# Allegro board RUBUS_20173009.brd (continued)
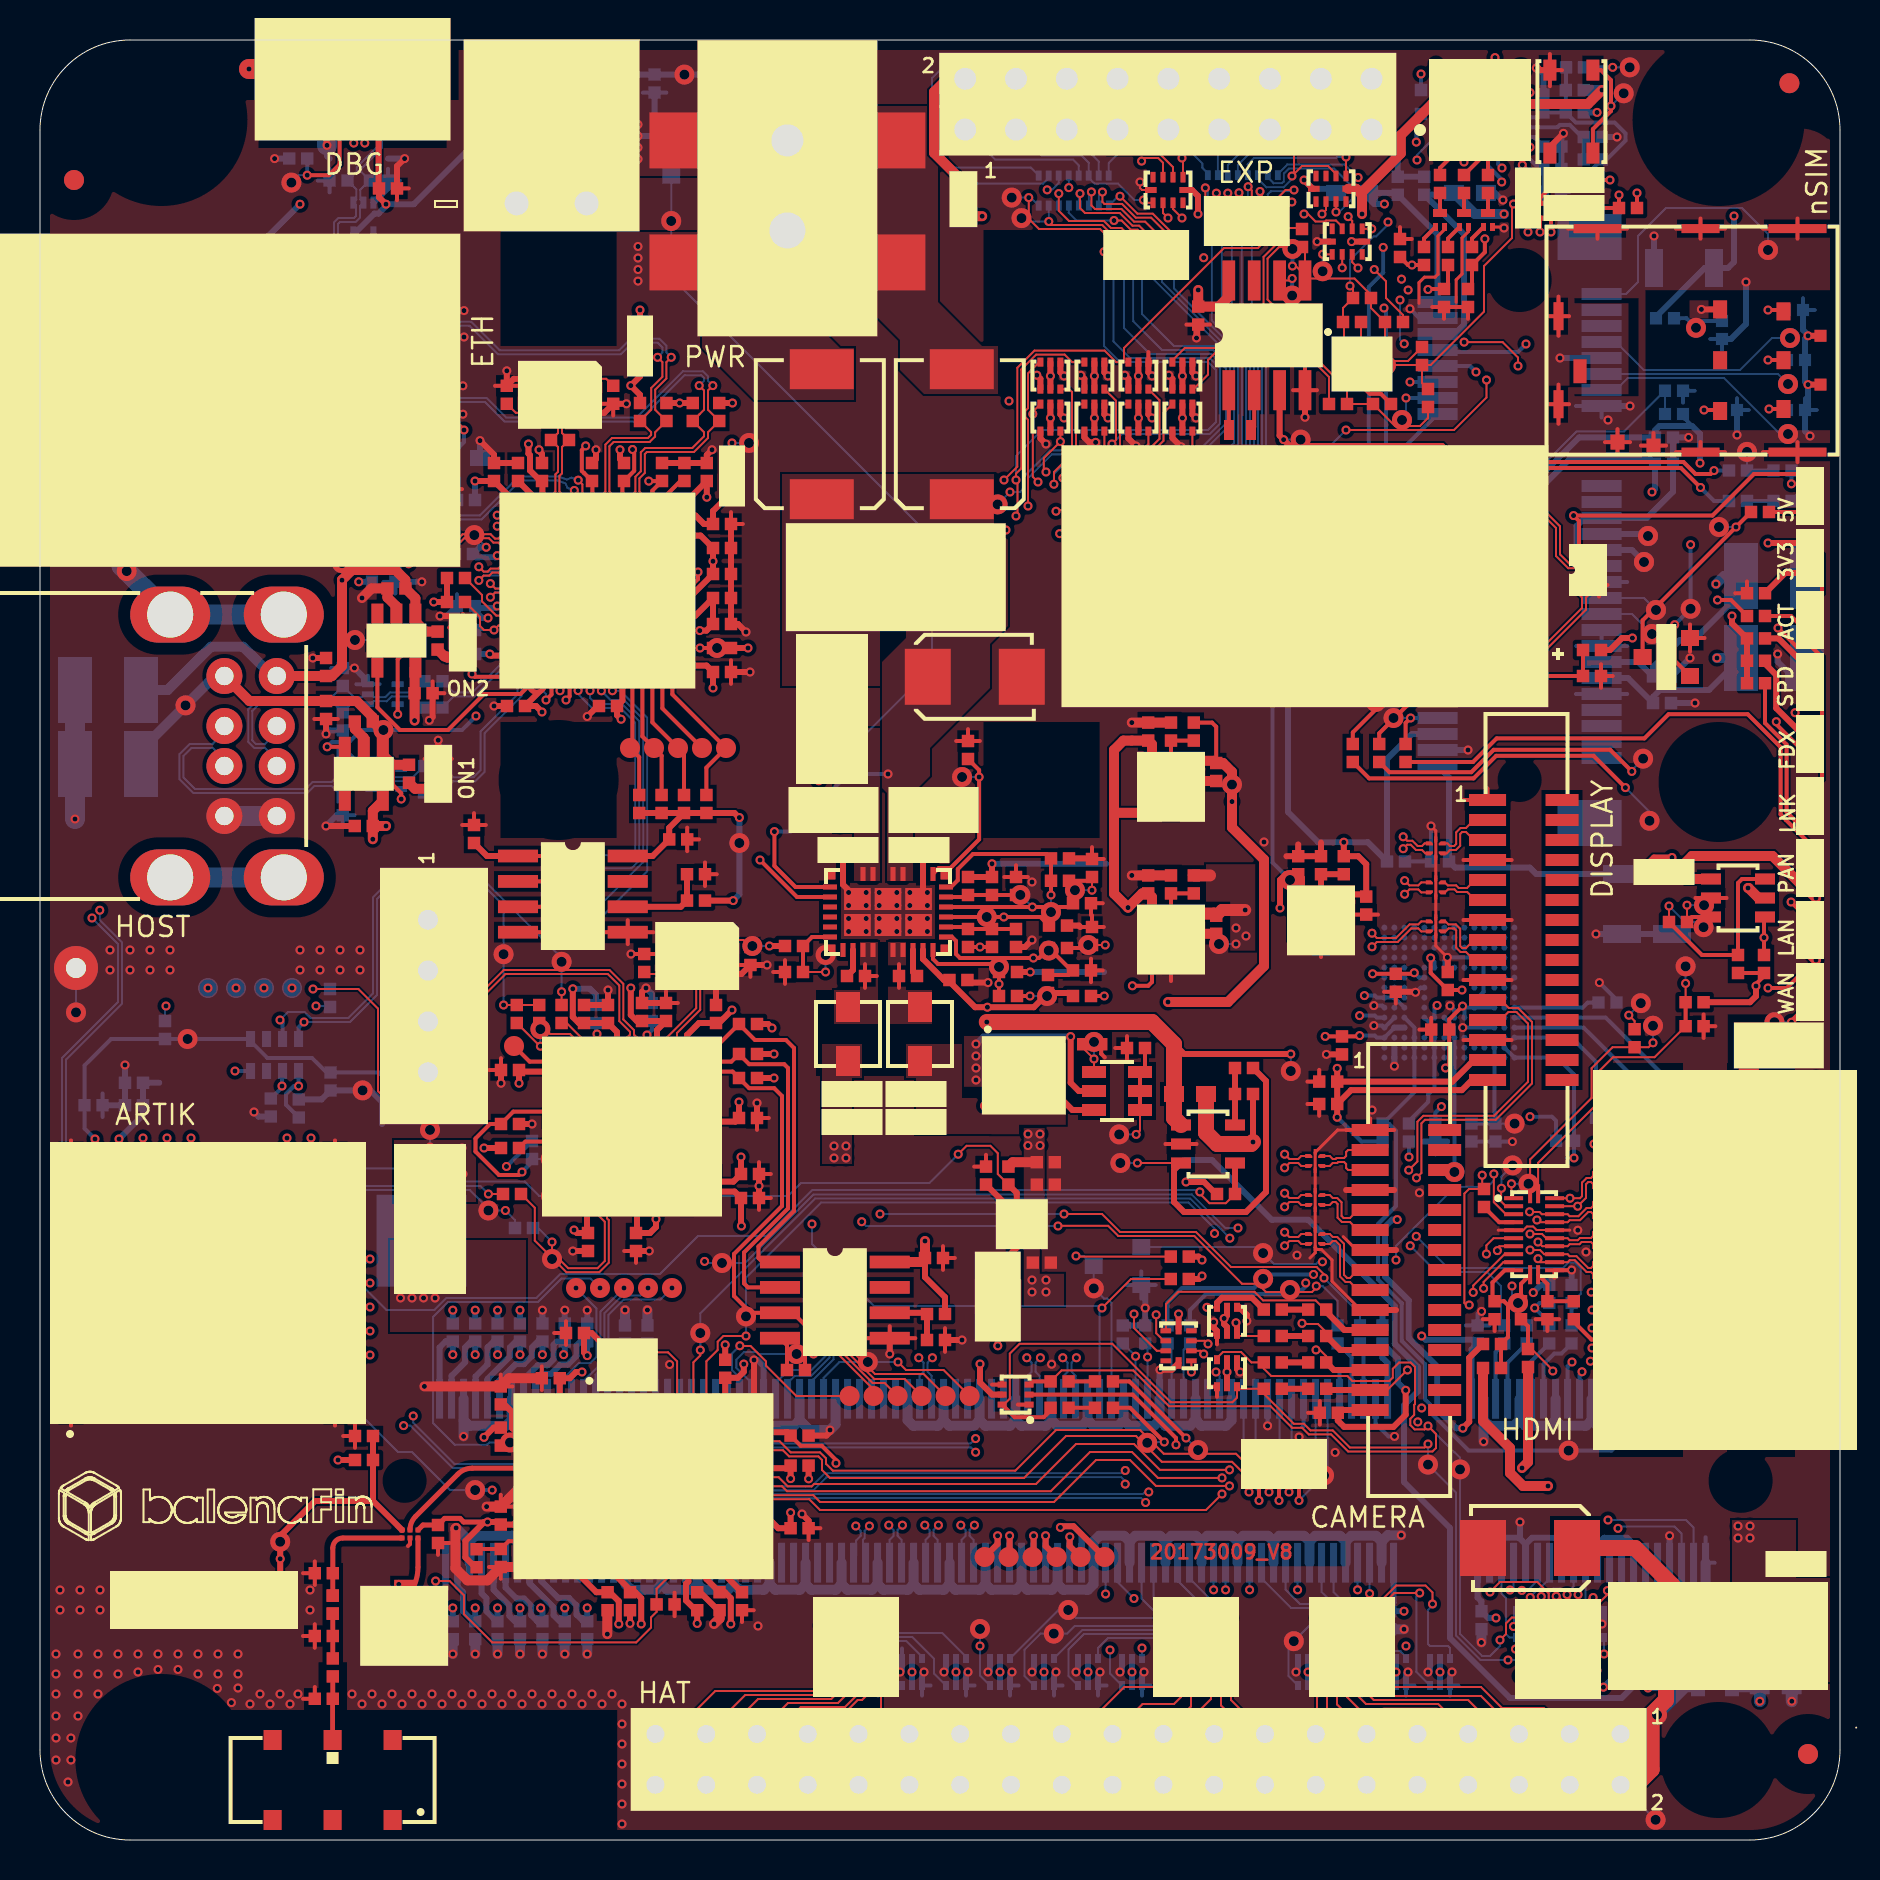
[diagram p0: board, top side]
## Footprints (pads in the part's own frame, mm; a bottom-side part is the same pattern mirrored in y, then rotated) (continued)
unnamed#2
  round 0 hole 3.3 unplated: (0,0)
unnamed#3
  round 0 hole 2.7 unplated: (0,0)
VFBGA153
  round 0.3 smd: A1(-3.25,3.25) A2(-2.75,3.25) A3(-2.25,3.25) A4(-1.75,3.25) A5(-1.25,3.25) A6(-0.75,3.25) A7(-0.25,3.25) A8(0.25,3.25) A9(0.75,3.25) A10(1.25,3.25) A11(1.75,3.25) A12(2.25,3.25) A13(2.75,3.25) A14(3.25,3.25) B1(-3.25,2.75) B2(-2.75,2.75) B3(-2.25,2.75) B4(-1.75,2.75) B5(-1.25,2.75) B6(-0.75,2.75) B7(-0.25,2.75) B8(0.25,2.75) B9(0.75,2.75) B10(1.25,2.75) B11(1.75,2.75) B12(2.25,2.75) B13(2.75,2.75) B14(3.25,2.75) C1(-3.25,2.25) C2(-2.75,2.25) C3(-2.25,2.25) C4(-1.75,2.25) C5(-1.25,2.25) C6(-0.75,2.25) C7(-0.25,2.25) C8(0.25,2.25) C9(0.75,2.25) C10(1.25,2.25) C11(1.75,2.25) C12(2.25,2.25) C13(2.75,2.25) C14(3.25,2.25) D1(-3.25,1.75) D2(-2.75,1.75) D3(-2.25,1.75) D4(-1.75,1.75) D12(2.25,1.75) D13(2.75,1.75) D14(3.25,1.75) E1(-3.25,1.25) E2(-2.75,1.25) E3(-2.25,1.25) E5(-1.25,1.25) E6(-0.75,1.25) E7(-0.25,1.25) E8(0.25,1.25) E9(0.75,1.25) E10(1.25,1.25) E12(2.25,1.25) E13(2.75,1.25) E14(3.25,1.25) F1(-3.25,0.75) F2(-2.75,0.75) F3(-2.25,0.75) F5(-1.25,0.75) F10(1.25,0.75) F12(2.25,0.75) F13(2.75,0.75) F14(3.25,0.75) G1(-3.25,0.25) G2(-2.75,0.25) G3(-2.25,0.25) G5(-1.25,0.25) G10(1.25,0.25) G12(2.25,0.25) G13(2.75,0.25) G14(3.25,0.25) H1(-3.25,-0.25) H2(-2.75,-0.25) H3(-2.25,-0.25) H5(-1.25,-0.25) H10(1.25,-0.25) H12(2.25,-0.25) H13(2.75,-0.25) H14(3.25,-0.25) J1(-3.25,-0.75) J2(-2.75,-0.75) J3(-2.25,-0.75) J5(-1.25,-0.75) J10(1.25,-0.75) J12(2.25,-0.75) J13(2.75,-0.75) J14(3.25,-0.75) K1(-3.25,-1.25) K2(-2.75,-1.25) K3(-2.25,-1.25) K5(-1.25,-1.25) K6(-0.75,-1.25) K7(-0.25,-1.25) K8(0.25,-1.25) K9(0.75,-1.25) K10(1.25,-1.25) K12(2.25,-1.25) K13(2.75,-1.25) K14(3.25,-1.25) L1(-3.25,-1.75) L2(-2.75,-1.75) L3(-2.25,-1.75) L12(2.25,-1.75) L13(2.75,-1.75) L14(3.25,-1.75) M1(-3.25,-2.25) M2(-2.75,-2.25) M3(-2.25,-2.25) M4(-1.75,-2.25) M5(-1.25,-2.25) M6(-0.75,-2.25) M7(-0.25,-2.25) M8(0.25,-2.25) M9(0.75,-2.25) M10(1.25,-2.25) M11(1.75,-2.25) M12(2.25,-2.25) M13(2.75,-2.25) M14(3.25,-2.25) N1(-3.25,-2.75) N2(-2.75,-2.75) N3(-2.25,-2.75) N4(-1.75,-2.75) N5(-1.25,-2.75) N6(-0.75,-2.75) N7(-0.25,-2.75) N8(0.25,-2.75) N9(0.75,-2.75) N10(1.25,-2.75) N11(1.75,-2.75) N12(2.25,-2.75) N13(2.75,-2.75) N14(3.25,-2.75) P1(-3.25,-3.25) P2(-2.75,-3.25) P3(-2.25,-3.25) P4(-1.75,-3.25) P5(-1.25,-3.25) P6(-0.75,-3.25) P7(-0.25,-3.25) P8(0.25,-3.25) P9(0.75,-3.25) P10(1.25,-3.25) P11(1.75,-3.25) P12(2.25,-3.25) P13(2.75,-3.25) P14(3.25,-3.25)
XFDFN6
  rect 0.25x0.25 smd: 1(0.4,0.2) 2(0,0.2) 3(-0.4,0.2) 4(-0.4,-0.2) 5(0,-0.2) 6(0.4,-0.2)
Y-ABM8G
  rect 1.4x1.15 smd: 1(-1.1,-0.8) 2(1.1,-0.8) 3(1.1,0.9) 4(-1.1,0.9)
Y-ABS05
  rect 0.5x1 smd: 1(-0.55,0) 2(0.55,0)
Y-NZ2520S
  rect 1x1 smd: 1(-0.825,-0.625) 2(0.825,-0.625) 3(0.825,0.625) 4(-0.825,0.625)

## Nets
3V3_HAT: F3.2 J18.1 J18.17 TVS15.1(C)
5V_HAT: F4.1 J18.2 J18.4 TVS16.1(C)
5V_HOST1: C64.1 C70.1 C234.1 J11.1 R210.2 TVS3.5(VCC) U10.1(OUT)
5V_HOST2: C76.1 C79.1 C232.1 J11.5(VCCB) R211.2 TVS4.5(VCC) U12.1(OUT)
+1V5: C42.1 C115.2 C117.1 C120.1 C123.1 J19.6 J19.28 J19.48 R49.2 U6.4(VOUT)
+1V8: C13.2 C14.1 C15.2 C16.1 C39.1 C231.1 J2.183 J2.184 J2.185 J2.186 R21.2 R22.2 R42.2 U5.4(VOUT) Y5.4(VCC)
+1V8_CORE: C182.1 C183.2 C184.1 U22.15 U22.38
+1V8_ETHPLL: C186.1 L21.2 U22.48
+1V8_USBPLL: C185.2 L21.1 U22.62
+1V8_VCORE: C157.2 C163.1 C167.1 U8.2 U8.31 U8.43(VREGOUT)
+1V8_WIFI: C194.2 C195.2 C196.2 C197.2 C198.2 MOD1.B2 MOD1.C9 MOD1.J9 MOD1.L1 MOD1.L9
+2V8: C17.2 C18.1 C27.1 J2.189 J2.190 R35.2 U2.4(VOUT)
+3V3: C1.1 C2.1 C4.2 C5.1 C6.2 C7.1 C11.1 C12.1 C19.2 C20.1 C21.2 C22.1 C23.2 C24.1 C25.2 C26.1 C28.1 C40.1 C43.1 C61.1 C85.1 C109.2 C110.2 C111.2 C112.2 C113.1 C116.2 C118.1 C119.1 C121.2 C122.2 C124.1 C140.1 C149.1 C177.1 C178.1 C179.1 C180.1 C181.1 C189.2 C190.2 C191.2 C192.2 C193.2 C205.2 C206.2 C207.1 C208.1 C209.1 C210.2 DS1.2 DS1.5(C2) DS4.2 DS4.5(C2) DS5.2 DS5.5(C2) DS11.2 DS11.5(C2) DS12.2 DS12.5(C2) DS13.2 DS13.5(C2) DS14.2 DS14.5(C2) DS15.2 DS15.5(C2) DS16.2 DS16.5(C2) DS17.2 DS17.5(C2) DS18.2 DS18.5(C2) DS19.2 DS19.5(C2) DS20.2 DS20.5(C2) DS21.2 DS21.5(C2) DS22.2 DS22.5(C2) DS23.2 DS23.5(C2) DS24.2 DS24.5(C2) DS31.2 F3.1 J2.4 J2.6 J2.39 J2.40 J2.41 J2.42 J2.191 J2.192 J2.193 J2.194 J2.197 J2.198 J2.199 J2.200 J3.14 J3.15 J10.15 J19.2 J19.24 J19.39 J19.41 J19.52 L20.1 MOD1.A4(VIO_SD) MOD1.A7 MOD1.B1 MOD1.D9 MOD1.M6 Q16.2 Q18.2 Q18.5 R2.2 R4.2 R5.2 R113.1 R133.2 R134.2 R135.2 R136.2 R137.2 R138.2 R149.2 R169.2 R182.2 R184.1 R203.2 R205.2 R206.2 R207.2 R208.2 R209.2 R212.2 R219.1 R220.1 R235.2 R240.2 R245.1 R246.2 R248.2 R267.1 R271.2 R273.2 R274.2 R282.1 R283.2 RR15.12 RR15.13 RR15.14 RR15.15 RR15.16 TVS2.10(VCC) U2.1 U2.6 U5.1 U5.6 U6.1 U6.6 U13.9 U17.C6 U17.E6 U17.F5 U17.J10 U17.K9 U17.M4 U17.N4 U17.P3 U17.P5 U19.8 U20.7 U20.8(VOUT#8) U22.19 U22.27 U22.33 U22.39 U22.40 U22.46 U26.4(VDD)
+3V3_A: C170.2 C171.2 C172.2 C173.2 C174.2 C175.2 C176.2 L20.2 R162.2 R163.2 R164.2 R165.2 R200.2 U22.5 U22.10 U22.49 U22.51 U22.54 U22.57 U22.64
+3V3_JTAG: C158.2 C159.2 C160.2 C161.2 C162.1 C164.1 C165.2 C166.2 C168.1 DS31.1(C) J23.1 R191.2 R192.2 R196.1 R197.1 R198.2 R217.2 U8.5 U8.9 U8.16 U8.36 U8.44 U8.50 U21.8
+3V3_LED: LD5.2 LD9.2 LD10.2 LD11.2 LD17.2 Q16.4 R174.2 R175.2 R177.2 R267.2
+3V3_ON: C92.1 C93.1 C150.1 C151.1 C221.1 C229.1 C230.1 DS7.2 DS7.5(C2) DS8.2 DS8.5(C2) DS9.2 DS9.5(C2) DS10.2 DS10.5(C2) DS25.2 DS25.5(C2) DS26.2 DS26.5(C2) DS27.2 DS27.5(C2) DS28.2 DS28.5(C2) F2.2 L24.2 MOD2.29(VDD) R118.2 R128.2 R180.2 R183.1 R236.2 R254.2 R258.2 R288.2 R289.1 TP84.1(TP) TVS6.10(VCC) TVS7.10(VCC) TVS18.10(VCC) U20.1 U20.2
+5V: C114.1 C188.1 C222.1 C223.1 DS32.2 F4.2 LD4.2 LD8.4 LD8.5 LD8.6 Q14.1 Q14.2 Q14.3(S_3) Q15.5(E2) Q17.2 R244.1 R268.1 R272.2 TVS17.5(VCC) U23.8 U27.7 U27.8(VIN2#8) U27.12
+5V_DEV: C63.1 C75.1 Q17.4 R243.1 R268.2 U10.5 U12.5
+5V_INT: C220.1 C227.1 C228.1 L23.2 Q14.5 Q15.6 R255.2 R257.2
+5V_USB_DBG: C88.1 J13.1(VCC) Q6.1 R116.2 R237.2 TVS5.5(VCC)
GND_DIGITAL: BAT1.2(-) C1.2 C2.2 C3.2 C4.1 C5.2 C6.1 C7.2 C8.1 C9.2 C10.2 C11.2 C12.2 C13.1 C14.2 C15.1 C16.2 C17.1 C18.2 C19.1 C20.2 C21.1 C22.2 C23.1 C24.2 C25.1 C26.2 C27.2 C28.2 C39.2 C40.2 C42.2 C43.2 C44.2 C45.2 C50.2 C60.2 C61.2 C63.2 C64.2 C68.2 C69.2 C70.2 C71.1 C75.2 C76.2 C77.2 C78.2 C79.2 C85.2 C86.2 C87.2 C88.2 C89.1 C91.2 C92.2 C93.2 C107.1 C108.1 C109.1 C110.1 C111.1 C112.1 C113.2 C114.2 C115.1 C116.1 C117.2 C118.2 C119.2 C120.2 C121.1 C122.1 C123.2 C124.2 C134.1 C135.2 C136.2 C137.2 C138.2 C139.2 C140.2 C147.2 C148.2 C149.2 C150.2 C151.2 C152.2 C153.2 C154.2 C155.2 C156.2 C157.1 C158.1 C159.1 C160.1 C161.1 C162.2 C163.2 C164.2 C165.1 C166.1 C167.2 C168.2 C170.1 C171.1 C172.1 C173.1 C174.1 C175.1 C176.1 C177.2 C178.2 C179.2 C180.2 C181.2 C182.2 C183.1 C184.2 C185.1 C186.2 C187.1 C188.2 C189.1 C190.1 C191.1 C192.1 C193.1 C194.1 C195.1 C196.1 C197.1 C198.1 C199.1 C201.2 C204.2 C205.1 C206.1 C207.2 C208.2 C209.2 C210.1 C211.2 C212.1 C213.1 C214.1 C215.1 C216.1 C217.1 C222.2 C223.2 C224.2 C225.2 C226.2 C227.2 C228.2 C229.2 C230.2 C231.2 C232.2 C234.2 DS1.1 DS1.4 DS4.1 DS4.4 DS5.1 DS5.4 DS7.1 DS7.4 DS8.1 DS8.4 DS9.1 DS9.4 DS10.1 DS10.4 DS11.1 DS11.4 DS12.1 DS12.4 DS13.1 DS13.4 DS14.1 DS14.4 DS15.1 DS15.4 DS16.1 DS16.4 DS17.1 DS17.4 DS18.1 DS18.4 DS19.1 DS19.4 DS20.1 DS20.4 DS21.1 DS21.4 DS22.1 DS22.4 DS23.1 DS23.4 DS24.1 DS24.4 DS25.1 DS25.4 DS26.1 DS26.4 DS27.1 DS27.4 DS28.1 DS28.4 DSW1.1 J1.2 J1.5 J1.8 J1.11 J1.17 J2.1 J2.7 J2.8 J2.13 J2.14 J2.19 J2.20 J2.25 J2.26 J2.31 J2.32 J2.37 J2.38 J2.43 J2.44 J2.49 J2.50 J2.55 J2.56 J2.61 J2.62 J2.67 J2.68 J2.73 J2.74 J2.79 J2.80 J2.85 J2.86 J2.91 J2.92 J2.97 J2.98 J2.103 J2.104 J2.109 J2.110 J2.115 J2.116 J2.121 J2.122 J2.127 J2.133 J2.134 J2.139 J2.140 J2.145 J2.146 J2.151 J2.152 J2.157 J2.163 J2.164 J2.169 J2.170 J2.181 J2.182 J2.187 J2.188 J2.195 J2.196 J3.1 J3.4 J3.7 J3.10 J3.13 J7.2 J7.3(NC) J9.2 J9.3 J10.1 J10.4 J10.7 J10.10 J11.4 J11.8 J13.5 J14.17 J18.6 J18.9 J18.14 J18.20 J18.25 J18.30 J18.34 J18.39 J19.4 J19.9 J19.15 J19.18 J19.21 J19.26 J19.27 J19.29 J19.34 J19.35 J19.37 J19.40 J19.43 J19.50 J20.8 J21.2 J22.5 J22.8 J22.9 J22.10 J22.11 J22.12 J22.14 J22.15 J22.16 J22.17 J22.18 J22.19 J23.4 L2.5 L2.6 L3.5 L3.6 L4.5 L4.6 L10.1(C) L11.5 L11.6 L12.5 L12.6 L13.5 L13.6 LD15.1(C) LD16.1(C) MOD1.A1 MOD1.A9 MOD1.B5 MOD1.E4 MOD1.E6 MOD1.E9 MOD1.F1 MOD1.F8 MOD1.G8 MOD1.H4 MOD1.H6 MOD1.H9 MOD1.M1 MOD1.M3 MOD1.M4 MOD1.M5 MOD1.M9 MOD1.N5 MOD2.1 MOD2.12 MOD2.20 MOD2.31 PB1.1 PB1.2 Q1.2(S) Q3.2(S) Q6.2(S) Q7.2(E) Q8.2(E) Q9.2(E) Q13.2(S) Q16.5(S2) Q17.5(S2) R7.1 R10.1 R18.1 R20.1 R28.2 R29.2 R32.1 R37.1 R46.1 R52.1 R67.1 R96.1 R116.1 R117.1 R132.2 R139.1 R140.1 R150.1 R151.1 R152.1 R153.1 R170.1 R171.1 R189.1 R193.1 R199.1 R201.2 R202.2 R218.1 R221.1 R222.1 R229.1 R231.1 R232.1 R247.1 R260.1 R262.1 R263.1 R264.1 R265.1 R266.1 R275.1 RR15.11 TP21.1(TP) TVS1.2 TVS2.5 TVS3.3 TVS4.3 TVS5.3 TVS6.5 TVS7.5 TVS15.2 TVS16.2 TVS17.3 TVS18.5 U1.5 U1.13 U1.18 U2.2 U2.7 U5.2 U5.7 U6.2 U6.7 U8.10 U8.21 U8.41 U8.45 U8.57 U10.2 U12.2 U13.3 U13.8(\\O\E\) U17.C4 U17.D4 U17.E7 U17.G5 U17.H10 U17.K8 U17.N1 U17.N2 U17.N5 U17.P4 U17.P6(VSSQ#P6) U19.5(VSS) U20.9 U21.5(VSS) U22.34 U22.44 U22.65 U23.4 U25.6(VSS) U25.17 U26.2 U27.2 U27.10 U27.33 U27.34 U27.35 U27.36 U27.37 U27.38 Y2.2 Y2.4 Y3.2 Y3.4 Y5.2
VDDM: C107.2 C108.2 U17.C1 U17.C2
VIN_CON: DS2.2 J21.1
VIN_JACK: DS3.2 J7.1A J7.1B
+VALIM: C224.1 C225.1 F1.2 TVS1.1(C) U27.4 U27.5 U27.11
ARTIK-RX_FTDI-TX: MOD2.23 R14.2 R291.2
ARTIK-TX_FTDI-RX: MOD2.24 R15.2 R238.2
BT_PCM_CLK: MOD1.C1 R7.2 R8.2
BT_PCM_IN: MOD1.D1 R12.2
BT_PCM_OUT: MOD1.C2 R11.2
BT_PCM_SYNC: MOD1.D2 R9.2 R10.2
CAM1_CK+_EXT: J10.9 L13.1
CAM1_CK-_EXT: J10.8 L13.2
CAM1_CN: J2.149 L13.3
CAM1_CP: J2.147 L13.4
CAM1_D0+_EXT: J10.3 L11.1
CAM1_D0-_EXT: J10.2 L11.2
CAM1_D1+_EXT: J10.6 L12.1
CAM1_D1-_EXT: J10.5 L12.2
CAM1_DN0: J2.161 L11.3
CAM1_DN1: J2.155 L12.3
CAM1_DP0: J2.159 L11.4
CAM1_DP1: J2.153 L12.4
CAM1_IO0: DS4.3 J2.82 R18.2 R82.2
CAM1_IO0_EXT: J10.11 R81.1 TVS2.1
CAM1_IO1: DS4.6 J2.84 R20.2 R84.2
CAM1_IO1_EXT: J10.12 R83.1 TVS2.2
CAM1_SCL_EXT: J10.13 R85.1 TVS2.3
CAM1_SDA_EXT: J10.14 R87.1 TVS2.6
D+_DBG: C87.1 J13.3 R115.2 TVS5.2
D+_HOST1: C69.1 J11.3 R91.2 TVS3.2
D+_HOST2: C78.1 J11.7 R109.2 TVS4.2
D-_DBG: C86.1 J13.2 R114.2 TVS5.1
D-_HOST1: C68.1 J11.2 R92.2 TVS3.1
D-_HOST2: C77.1 J11.6 R108.2 TVS4.1
DBG_UP-RX_DEV-TX: DS26.6 MOD2.6 RR3.5
DBG_UP-RX_DEV-TX_EXT: J14.12 RR2.13 TVS18.1
DBG_UP-TX_DEV-RX: DS26.3 MOD2.5 RR3.6
DBG_UP-TX_DEV-RX_EXT: J14.14 RR2.14 TVS18.2
DISP_CLK+_EXT: J3.6 L3.3
DISP_CLK-_EXT: J3.5 L3.4
DISP_D0+_EXT: J3.9 L4.3
DISP_D0-_EXT: J3.8 L4.4
DISP_D1+_EXT: J3.3 L2.3
DISP_D1-_EXT: J3.2 L2.4
DSI1_CN: J2.102 L3.1
DSI1_CP: J2.100 L3.2
DSI1_DN0: J2.96 L4.1
DSI1_DN1: J2.120 L2.1
DSI1_DP0: J2.94 L4.2
DSI1_DP1: J2.118 L2.2
EE_CLK: U19.2 U22.23
EE_CLK_FTDI: R196.2 U8.56 U21.2
EE_CS: R170.2 U19.1 U22.24
EE_CS_FTDI: R191.1 U8.1 U21.1
EE_DATA_FTDI: R190.1 R197.2 U8.55 U21.3
EE_DI: U19.4 U22.26
EE_DO: U19.3 U22.25
EMMC_CLK: J2.10 U17.M6 U17.N7 U17.P7
EMMC_CMD: J2.12 R134.1 U17.L1 U17.L2 U17.L3 U17.M5
EMMC_D0: J2.16 R138.1 U17.A3
EMMC_D1: J2.18 R137.1 U17.A4
EMMC_D2: J2.22 R136.1 U17.A5
EMMC_D3: J2.24 R135.1 U17.A1 U17.B2
EMMC_DISABLE_N: J2.2 Q2.3
EMMC_DS: TP41.1(TP) U17.G1 U17.G2 U17.G3 U17.H5
EMMC_EN_N_1V8: J2.90 Q3.1 R22.1
EMMC_RST: R133.1 U17.J1 U17.J2 U17.J3 U17.K5
ETH_RX+: C138.1 J20.3 R164.1 U22.52
ETH_RX-: C139.1 J20.6 R165.1 U22.53
ETH_TX+: C136.1 J20.1 R162.1 U22.55
ETH_TX-: C137.1 J20.2(TD-) R163.1 U22.56
FB_3V3: C221.2 R258.1 R266.2 U27.31
FB_5V: C220.2 R257.1 R265.2 U27.28
GPIO4: DS12.6 J2.15 RR5.4
GPIO5: DS15.3 J2.17 RR9.6
GPIO6: DS15.6 J2.21 RR9.7
GPIO7: DS17.6 J2.23 RR9.3
GPIO8: DS18.3 J2.27 RR9.1
GPIO9: DS20.6 J2.29 RR8.14
GPIO10: DS20.3 J2.33 RR8.13
GPIO11: DS17.3 J2.35 RR9.2
GPIO12: DS18.6 J2.45 RR12.10
GPIO13: DS22.3 J2.47 RR12.11
GPIO14: DS12.3 J2.51 RR5.3
GPIO15: DS13.3 J2.53 RR5.5
GPIO16: DS22.6 J2.57 RR12.12
GPIO17: DS13.6 J2.59 RR5.6
GPIO18: DS14.3 J2.63 RR5.7
GPIO19: DS23.3 J2.65 RR12.13
GPIO20: DS23.6 J2.69 RR12.14
GPIO21: DS24.6 J2.71 RR12.16
GPIO22: DS19.3 J2.75 RR8.9
GPIO23: DS19.6 J2.77 RR8.10
GPIO24: DS21.3 J2.81 RR8.11
GPIO25: DS21.6 J2.83 RR8.16
GPIO26: DS24.3 J2.87 RR12.15
GPIO27: DS14.6 J2.89 RR5.8
HDMI_CEC: J2.171 R6.1
HDMI_CEC_CON: J1.13 U1.6
HDMI_CK+: J1.10 J2.113 U1.15
HDMI_CK-: J1.12 J2.111 U1.14
HDMI_D0+: J1.7 J2.119 U1.17
HDMI_D0-: J1.9 J2.117 U1.16
HDMI_D1+: J1.4 J2.125 U1.20
HDMI_D1-: J1.6 J2.123 U1.19
HDMI_D2+: J1.1 J2.131 U1.22
HDMI_D2-: J1.3 J2.129 U1.21
HDMI_HPD: Q1.1 U1.3
HDMI_HPD_CON: J1.19 U1.9
HDMI_LS_OE: R13.1 R16.1 R245.2 U25.5
HDMI_SCL: J2.175 U1.1
HDMI_SCL_CON: J1.15 U1.7
HDMI_SDA: J2.173 U1.2
HDMI_SDA_CON: J1.16(SDA) U1.8
I2C0_C_EXT: J3.11 R24.2 TVS2.8
I2C0_D_EXT: J3.12 R26.2 TVS2.7
I2C0_SCL: DS1.3 DS5.6 DS16.6 J2.5 R4.1 R23.1 R86.2 RR9.5
I2C0_SDA: DS1.6 DS5.3 DS16.3 J2.3 R5.1 R25.1 R88.2 RR9.4
I2C1_SCL: DS11.6 DS25.6 J2.11 R1.1 R143.2 R284.2 RR3.8 RR5.2
I2C1_SCL_EXT: J14.18 RR2.16 TVS18.7
I2C1_SDA: DS11.3 DS25.3 J2.9 R3.1 R145.2 R285.1 RR3.7 RR5.1
I2C1_SDA_EXT: J14.16 RR2.15 TVS18.8
IO0: J18.3 RR6.16
IO1: J18.5 RR6.15
IO2: J18.7 RR6.13
IO3: J18.11 RR6.11
IO4: J18.13 RR6.9
IO5: J18.15 RR7.8
IO6: J18.19 RR7.4
IO7: J18.21 RR7.3
IO8: J18.23 RR10.15
IO9: J18.27 RR10.13
IO10: J18.29 RR10.11
IO11: J18.31 RR10.10
IO12: J18.33 RR11.6
IO13: J18.35 RR11.4
IO14: J18.37 RR11.2
IO15: J18.40 RR11.1
IO16: J18.38 RR11.3
IO17: J18.36 RR11.5
IO18: J18.32 RR11.7
IO19: J18.28 RR10.12
IO20: J18.26 RR10.14
IO21: J18.24 RR10.16
IO22: J18.22 RR7.1
IO23: J18.18 RR7.6
IO24: J18.16 RR7.7
IO25: J18.12 RR6.10
IO26: J18.10 RR6.12
IO27: J18.8 RR6.14
JTCK: J2.180 TP63.1(TP)
JTDI: J2.174 TP60.1(TP)
JTDI_FTDI: R213.2 U8.13
JTDO: J2.178 TP62.1(TP)
JTDO_FTDI: R215.2 U8.14
JTMS: J2.176 TP61.1(TP)
JTMS_FTDI: TP73.1(TP) U8.15
LED-B: R124.1 R152.2 U25.4
LED-G: R122.1 R151.2 U25.3
LED-R: R120.1 R150.2 U25.2
MCU-GPIO0: DS7.3 MOD2.3 RR13.5
MCU-GPIO0_EXT: J14.1 RR14.13 TVS6.7
MCU-GPIO1: DS7.6 MOD2.7 RR13.6
MCU-GPIO1_EXT: J14.3 RR14.14 TVS6.6
MCU-GPIO2: DS8.3 MOD2.8 RR13.7
MCU-GPIO2_EXT: J14.5 RR14.15 TVS7.1
MCU-GPIO3: DS8.6 MOD2.9 RR13.8
MCU-GPIO3_EXT: J14.7 RR14.16 TVS7.2
MCU-GPIO4: DS9.3 MOD2.10 RR3.1
MCU-GPIO4_EXT: J14.9 RR2.9 TVS7.3
MCU-GPIO5: DS9.6 MOD2.11 RR3.2
MCU-GPIO5_EXT: J14.11 RR2.10 TVS7.8
MCU-GPIO6: DS10.3 MOD2.27 RR3.3
MCU-GPIO6_EXT: J14.13 RR2.11 TVS7.7
MCU-GPIO7: DS10.6 MOD2.28 RR3.4
MCU-GPIO7_EXT: J14.15 RR2.12 TVS7.6
NJTRST_FTDI: R217.1 U8.23
NRST: J2.172(V\C\_\T\R\S\T\) TP59.1(TP)
PERST_MPCIE: R250.2 U25.8
PW_EN_LED: Q13.1 Q16.1 R273.1 U25.10
PW_ON_3V3: MOD2.26 R180.1 U20.3
PW_ON_5V: MOD2.17 Q17.1 R274.1
RF_OUT_50OHM: MOD1.N4 U26.5
RST_MCU: C91.1 MOD2.30 R118.1 R216.1 R290.1 RR4.5
SPI-MCU_MISO: DS28.6 MOD2.15 RR13.4
SPI-MCU_MISO_EXT: J14.10 RR14.12 TVS6.8
SPI-MCU_MOSI: DS28.3 MOD2.14 RR13.3
SPI-MCU_MOSI_EXT: J14.8 RR14.11 TVS6.3
SPI-MCU_SCLK: DS27.6 MOD2.16 RR13.2
SPI-MCU_SCLK_EXT: J14.6 RR14.10 TVS6.2
SPI_MCU_CS-CON: DS27.3 MOD2.13 RR13.1
SPI_MCU_CS-CON_EXT: J14.4 RR14.9 TVS6.1
SW_I2C_SCL_ON: MOD2.19 Q18.3 R284.1 R287.2 R288.1 U23.6
SW_I2C_SCL_ON_OFF: Q18.4(S2) R17.2 R282.2 R287.1 U25.12
SW_I2C_SDA_ON: MOD2.18 Q18.6 R285.2 R286.1 R289.2 U23.5
SW_I2C_SDA_ON_OFF: Q18.1 R19.2 R283.1 R286.2 U25.13
SWCLK_MCU: MOD2.21 R214.1 RR4.7
SWDIO_MCU: MOD2.22 R213.1 R215.1 RR4.8
USB_DBG_D+: R115.1 U13.5
USB_DBG_D-: R114.1 U13.4
USB_DM: J2.167 U13.2
USB_DP: J2.165 U13.1
USB_HOST1_CTRL: U10.3 U10.4 U22.17
USB_HOST1_D+: R91.1 U22.7
USB_HOST1_D-: R92.1 U22.6
USB_HOST2_CTRL: U12.3 U12.4 U22.18
USB_HOST2_D+: R109.1 U22.9
USB_HOST2_D-: R108.1 U22.8
USB_HUB_D+: U13.7 U22.59
USB_HUB_D-: U13.6 U22.58
USB_JTAG+: J23.3 U8.8 U22.4
USB_JTAG-: J23.2 U8.7 U22.3
USB_MPCIE_D+: J19.38 TVS17.2 U22.2
USB_MPCIE_D-: J19.36 TVS17.1 U22.1
W-DISABLE_MPCIE: R249.2 U25.7
WIFI_BLE_PDN: MOD1.C8 R218.2 R293.2
WIFI_SDIO_CLK: J2.52 MOD1.A5 RR15.6
WIFI_SDIO_CMD: J2.54 MOD1.B4 RR15.5
WIFI_SDIO_D0: J2.58 MOD1.B6 RR15.4
WIFI_SDIO_D1: J2.60 MOD1.A6 RR15.3
WIFI_SDIO_D2: J2.64 MOD1.B3 RR15.2
WIFI_SDIO_D3: J2.66 MOD1.A3 RR15.1
N16818805: R35.1 R37.2 U2.5
N16819336: R42.1 R46.2 U5.5
N16826548: C89.2 J13.6 J13.7 J13.8 J13.9 J13.10 J13.11 R117.2
N16826556: C71.2 J11.9 J11.10 J11.11 J11.12 R96.2
N16879463: C3.1 R2.1 U1.23(VCCA)
N16879564: R6.2 U1.24
N16879671: J1.18 L1.2
N16879685: R13.2 U1.4
N16879735: C9.1 R243.2 R244.2 U1.10
N16879749: C8.2 J1.21 J1.22 J1.23 J1.24
N16879759: R16.2 U1.11
N16879761: C10.1 L1.1 U1.12
N16882551: J2.88 Q1.3 R21.1
N16891942: Q6.3 R113.2 U13.10
N16952006: R25.2 R26.1
N16952009: R23.2 R24.1
N16956172: R81.2 R82.1
N16956207: R83.2 R84.1
N16956242: R85.2 R86.1
N16956269: R87.2 R88.1
N16969912: R128.1 RR4.1 TP70.1(TP)
N16969957: R132.1 RR4.2 TP71.1(TP)
N16969979: RR4.4 TP72.1(TP)
N17037416: J2.168 R29.1
N17062592: RR2.5 RR3.13
N17062595: RR2.6 RR3.14
N17062598: RR2.7 RR3.15
N17062601: RR2.8 RR3.16
N17069111: DS2.1(C) DS3.1(C) DS32.1(C) F1.1
N17081835: RR7.9 RR8.8
N17081884: RR7.10 RR8.7
N17081939: RR7.11 RR8.6
N17082126: RR11.14 RR12.3
N17082162: RR11.15 RR12.2
N17082197: RR11.16 RR12.1
N17089128: RR7.13 RR8.4
N17089171: RR7.14 RR8.3
N17089214: RR7.16 RR8.1
N17089343: RR11.10 RR12.7
N17089386: RR11.12 RR12.5
N17119064: R49.1 R52.2 U6.5
N17119869: J19.42 R146.1
N17119872: J19.44 R147.1
N17119875: J19.46 R148.1
N17119878: LD11.1(C) R148.2
N17119887: LD10.1(C) R147.2
N17119896: LD9.1(C) R146.2
N17122549: J19.32 R144.1
N17122560: J19.30 R142.1
N17123208: J19.14 R187.1
N17123211: J19.12 R186.1
N17123214: J19.10 R185.1
N17123217: C153.1 J19.8 J22.1 R188.2
N17126506: R149.1 R189.2
N17128944: R142.2 R143.1
N17129002: R144.2 R145.1
N17130185: C211.1 J19.22 R248.1 R250.1
N17130223: J19.7 TP50.1(TP)
N17130226: J19.11 TP47.1(TP)
N17130229: J19.13 TP49.1(TP)
N17130232: J19.23 TP55.1(TP)
N17130235: J19.25 TP56.1(TP)
N17130238: J19.31 TP57.1(TP)
N17130241: J19.33 TP58.1(TP)
N17130249: J19.1 TP46.1(TP)
N17159243: LD4.1(C) R66.2
N17159780: LD5.1(C) R67.2
N17163814: RR2.4 RR3.12
N17163832: RR2.3 RR3.11
N17163850: RR2.2 RR3.10
N17179377: J9.1 U26.3
N17179423: ANT1.2 C60.1 C202.2
N17179429: C201.1 C202.1 L22.2 R224.2
N17182696: RR9.10 RR10.7
N17182698: RR9.11 RR10.6
N17182699: RR9.12 RR10.5
N17182700: RR9.13 RR10.4
N17182701: RR9.14 RR10.3
N17182702: RR9.15 RR10.2
N17182703: RR9.16 RR10.1
N17182828: RR5.15 RR6.2
N17182829: RR5.16 RR6.1
N17182830: RR5.14 RR6.3
N17182831: RR5.13 RR6.4
N17182832: RR5.12 RR6.5
N17182833: RR5.11 RR6.6
N17182834: RR5.10 RR6.7
N17182835: RR5.9 RR6.8
N17186212: RR11.13 RR12.4
N17186527: RR11.11 RR12.6
N17199581: J2.28 R8.1
N17199633: J2.30 R9.1
N17201498: J2.46 R14.1
N17201501: J2.48 R15.1
N17201615: J2.76 R17.1
N17201618: J2.78 R19.1
N17222181: R139.2 U17.A6
N17222186: R140.2 U17.J5
N17293442: J2.93 TP1.1(TP)
N17293451: J2.95 TP2.1(TP)
N17293460: J2.99 TP3.1(TP)
N17293469: J2.101 TP4.1(TP)
N17293478: J2.105 TP5.1(TP)
N17293487: J2.107 TP6.1(TP)
N17293523: J2.136 TP7.1(TP)
N17293530: J2.138 TP8.1(TP)
N17293537: J2.142 TP9.1(TP)
N17293544: J2.144 TP10.1(TP)
N17293551: J2.148 TP11.1(TP)
N17293558: J2.150 TP12.1(TP)
N17293833: J2.166 R28.1
N17297409: Q2.1 R32.2 R237.1
N17299945: Q2.2(S) Q3.3 R31.1
N17304746: LD17.1(C) R31.2
N17324040: RR2.1 RR3.9
N17354151: J13.4 R153.2
N18376084: J2.177 PB1.3 PB1.4
N18385522: F2.1 J14.2
N18386630: RR13.9 RR14.1
N18386633: RR13.10 RR14.2
N18386636: RR13.11 RR14.3
N18386651: RR13.12 RR14.4
N18386810: RR13.13 RR14.5
N18386815: RR13.14 RR14.6
N18386822: RR13.15 RR14.7
N18386825: RR13.16 RR14.8
N18400731: C152.1 U20.4
N18401161: R182.1 U20.6
N18405003: R1.2 R3.2 R183.2 R184.2
N18406483: C154.1 J22.2 R187.2
N18406582: C156.1 J22.7 R185.2 R188.1
N18406685: J19.16 TP64.1(TP)
N18408710: C155.1 J22.3 R186.2
N18414063: R198.1 R199.2 U21.6
N18414095: R190.2 U21.4
N18414244: C44.1 U8.3 Y3.1
N18414297: C45.1 U8.4 Y3.3
N18414337: R193.2 U8.6
N18414397: R238.1 U8.33
N18414409: R192.1 U8.11
N18414413: R291.1 U8.32
N18414425: R214.2 U8.12
N18414475: C50.1 R216.2 U8.20
N18424363: C135.1 J20.4 J20.5 R200.1
N18424443: C134.2 J20.9 J20.10
N18431035: R201.1 U22.63
N18432576: R202.1 U22.50
N18433009: R203.1 U22.41
N18435074: C148.1 R204.2 U22.61 Y2.3
N18435086: C147.1 R204.1 U22.60(XO) Y2.1
N18439547: LD13.1(C) U22.22
N18439549: LD13.2 R174.1
N18439559: LD12.1(C) U22.21
N18439563: LD14.1(C) U22.20
N18439587: LD12.2 R175.1
N18439615: LD14.2 R177.1
N18440280: C187.2 R205.1 U22.12
N18441109: R169.1 R171.2 U19.6
N18444316: R206.1 TP69.1(TP) U22.32
N18444319: TP68.1(TP) U22.31
N18444322: R207.1 TP67.1(TP) U22.30
N18444325: R208.1 TP66.1(TP) U22.29
N18444328: R209.1 TP65.1(TP) U22.28
N18447675: LD15.2 R210.1
N18448098: LD16.2 R211.1
N18449262: R212.1 U22.11
N18457379: U23.1 Y4.2
N18457384: U23.2(X2) Y4.1
N18469944: BAT1.1 U23.3
N18472937: C199.2 MOD1.B9
N18475436: MOD1.L3 R219.2 R222.2
N18475447: MOD1.L8 R220.2 R221.2
N18488781: L10.2 L22.1(C) R224.1 U26.1
N18498215: C204.1 R230.2 R233.2 R234.2 R235.1 R236.1 U25.14
N18498233: R229.2 R230.1 U25.15
N18502868: R231.2 R233.1 U25.16
N18502871: R232.2 R234.1 U25.1
N18639689: Q16.3 R269.1 R271.1
N18639693: Q16.6 R269.2
N18652550: DSW1.2 R240.1 R275.2 U26.6
N18655098: Q14.4 Q15.4 R260.2
N18655160: Q15.1 Q15.2 Q15.3 R262.2
N18656712: Q17.3 R270.1 R272.1
N18656716: Q17.6 R270.2
N18660257: Q13.3 R66.1
N18668852: J19.20(W\_\D\I\S\A\B\L\E\) R246.1 R247.2 R249.1
N18679781: C219.2 L24.1 U27.19 U27.20
N18679823: C218.2 L23.1 U27.22 U27.23
N18679899: R263.2 U27.1
N18689680: C226.1 R253.2 R256.2 R259.2 U27.25
N18690133: C214.2 U27.30
N18690136: C215.2 U27.29
N18692359: C217.2 R252.1 R253.1 U27.27
N18692780: C212.2 R251.1 R256.1 U27.32
N18693121: C213.2 R251.2
N18693124: C216.2 R252.2
N18695554: R259.1 R264.2 U27.16
N18696577: R254.1 R255.1 U27.26
N18698386: C218.1 U27.24
N18698691: C219.1 U27.18
N18784708: MOD1.E1 Y5.3
N19330929: J2.34 R11.1
N19330932: J2.36 R12.1
N19331047: R290.2 U25.9
N19357516: LD8.3(CR) R119.2
N19357530: Q7.3 R119.1
N19357556: Q7.1 R120.2
N19357594: LD8.2 R121.2
N19357606: LD8.1 R123.2
N19357624: Q8.3 R121.1
N19357650: Q8.1 R122.2
N19357684: Q9.3 R123.1
N19357710: Q9.1 R124.2
N19378336: J2.70 R293.1

Pads without a net: ANT1 1 3 4 5 6; FID1 1; FID2 1; FID3 1; FID4 1; FID5 1; FID6 1; J1 14; J2 72 106 108 112 114 124 126 128 130 132 135 137 141 143 154 156 158 160 162 179; J3 16 17 18 19 20 21 22 23 24 25 26 27 28 29 30; J10 16 17 18 19 20 21 22 23 24 25 26 27 28 29 30; J19 3 5 17 19 45 47 49 51; J20 7; J22 6 13; MOD1 B7 B8 D8 E2 E8 F2 F9 G1 G2 G9 H1 H2 H8 J1 J2 J8 K1 K2 K8 K9 L2 L4 L5 L6 L7 M7; MOD2 2 4 25; RR4 3 6; RR7 2 5 12 15; RR8 2 5 12 15; RR9 8 9; RR10 8 9; RR11 8 9; RR12 8 9; RR15 7 8 9 10; TVS2 4 9; TVS3 4; TVS4 4; TVS5 4; TVS6 4 9; TVS7 4 9; TVS17 4; TVS18 3 4 6 9; U2 3; U5 3; U6 3; U8 17 18 19 22 24 25 26 27 28 29 30 34 35 37 38 39 40 42 46 47 48 49 51 52 53 54; U17 A2 A7 A8 A9 A10 A11 A12 A13 A14 B1 B3 B4 B5 B6 B7 B8 B9 B10 B11 B12 B13 B14 C3 C5 C7 C8 C9 C10 C11 C12 C13 C14 D1 D2 D3 D12 D13 D14 E1 E2 E3 E5 E8 E9 E10 E12 E13 E14 F1 F2 F3 F10 F12 F13 F14 G10 G12 G13 G14 H1 H2 H3 H12 H13 H14 J12 J13 J14 K1 K2 K3 K6 K7 K10 K12 K13 K14 L12 L13 L14 M1 M2 M3 M7 M8 M9 M10 M11 M12 M13 M14 N3 N6 N8 N9 N10 N11 N12 N13 N14 P1 P2 P8 P9 P10 P11 P12 P13 P14; U19 7; U20 5; U21 7; U22 13 14 16 35 36 37 42 43 45 47; U23 7; U25 11; U27 13 14 15 17; Y5 1

## Via types
v1: diameter 0.45, hole 0.254, TOP to BOTTOM, 1107 vias
v2: diameter 1, hole 0.5, TOP to BOTTOM, 145 vias
v3: diameter 0.65, hole 0.3, TOP to BOTTOM, 16 vias

## Routing (per net, layer and track width the routed paths; a pad name or vN(x,y) marks a point on that pad's centre or on a via; arc(x,y) is an arc through that point)
3V3_HAT: length 31
  POWER w0.6: J18.1 77.53,6.8 60.21,6.8 J18.17
  BOTTOM w0.6: J18.1 79.89,5.3 v2(80.85,6.26) 82.28,7.69 F3.2 82.9,7.84 83.86,8.8 84.5,8.8 85.16,9.46 TVS15.1
5V_HAT: length 37.3
  TOP w0.8: F4.1 80.8,10.2 ; F4.1 81.3,9.62 81.3,7 80.58,6.28 80.58,3.52 79.82,2.76 J18.2 J18.4 ; F4.1 81.62,11.11 81.62,12.73 79.76,14.6 TVS16.1 ; 80.8,10.2 81.5,10.2 v1(82.3,9.4) ; 80.8,10.2 v1(82.3,8.7)
  INT1 w0.8: v1(82.3,9.4) v1(82.3,8.7) 82.3,8 80.6,6.3 80.6,4.06 79.3,2.76 J18.2 J18.4
  BOTTOM w0.1: J18.2 v2(80.78,1.01)
5V_HOST1: length 20.7
  TOP w0.2: 17.64,53.76 17.64,52.76 18.06,52.34 v1(18.06,52.05)
  TOP w0.5: R210.2 17.64,53.76 17.14,54.26 U10.1 17.14,55.42 C64.1 16.64,56.13 15.83,56.95 C70.1 10.47,56.95 J11.1
  BOTTOM w0.2: TVS3.5 v1(18.06,52.05)
  BOTTOM w0.5: J11.1 8.75,58.2 v2(7.28,56.73) 5.05,54.51 C234.1
5V_HOST2: length 29.3
  TOP w0.2: 19.27,60.42 17.89,59.03 v1(17.89,56.29)
  TOP w0.5: R211.2 19.27,60.42 18.77,60.92 U12.1 18.77,62.08 C76.1 18.27,63 17.77,63.5 15.6,63.5 15.1,63 v1(15.1,62.99) 15.1,58.7 14.6,58.2 C79.1 J11.5
  BOTTOM w0.1: v2(15.1,63.84) v1(15.1,62.99)
  BOTTOM w0.2: TVS4.5 v1(17.89,56.29)
  BOTTOM w0.5: J11.5 11.62,58.2 10.16,59.66 8.54,59.66 6.38,57.5 C232.1
+1V5: length 95
  TOP w0.3: U6.4 66.2,47.28 C42.1 66.31,48.79 65.91,49.19 R49.2 v1(65.19,49.89)
  POWER w0.5: v1(73.2,81.3) 72.61,81.3 71.67,80.36 71.67,78.83 72.06,78.44 72.06,76.23 73.1,75.2 73.1,72.3 v1(69.76,68.96) 79.04,68.96 v1(80.6,67.4)
  BOTTOM w0.3: J19.48 68.6,55.3 67.35,54.05 C123.1 66.39,49.89 v1(65.19,49.89) 63.91,49.89 62.4,51.4 62.4,62.2 v2(64.33,64.13) 69.16,68.96 v1(69.76,68.96) ; J19.6 70.73,75.3 71.2,75.77 71.2,80.28 C117.1 70.61,82.27 C115.2 ; J19.28 70.73,63.3 76.46,69.03 80.53,69.03 C120.1 80.75,67.55 v1(80.6,67.4)
  BOTTOM w0.5: v1(73.2,81.3) 71.75,81.3 C115.2
